# Allegro board 1119394-C028P02-36-DE2-C01_pcb.brd (continued)
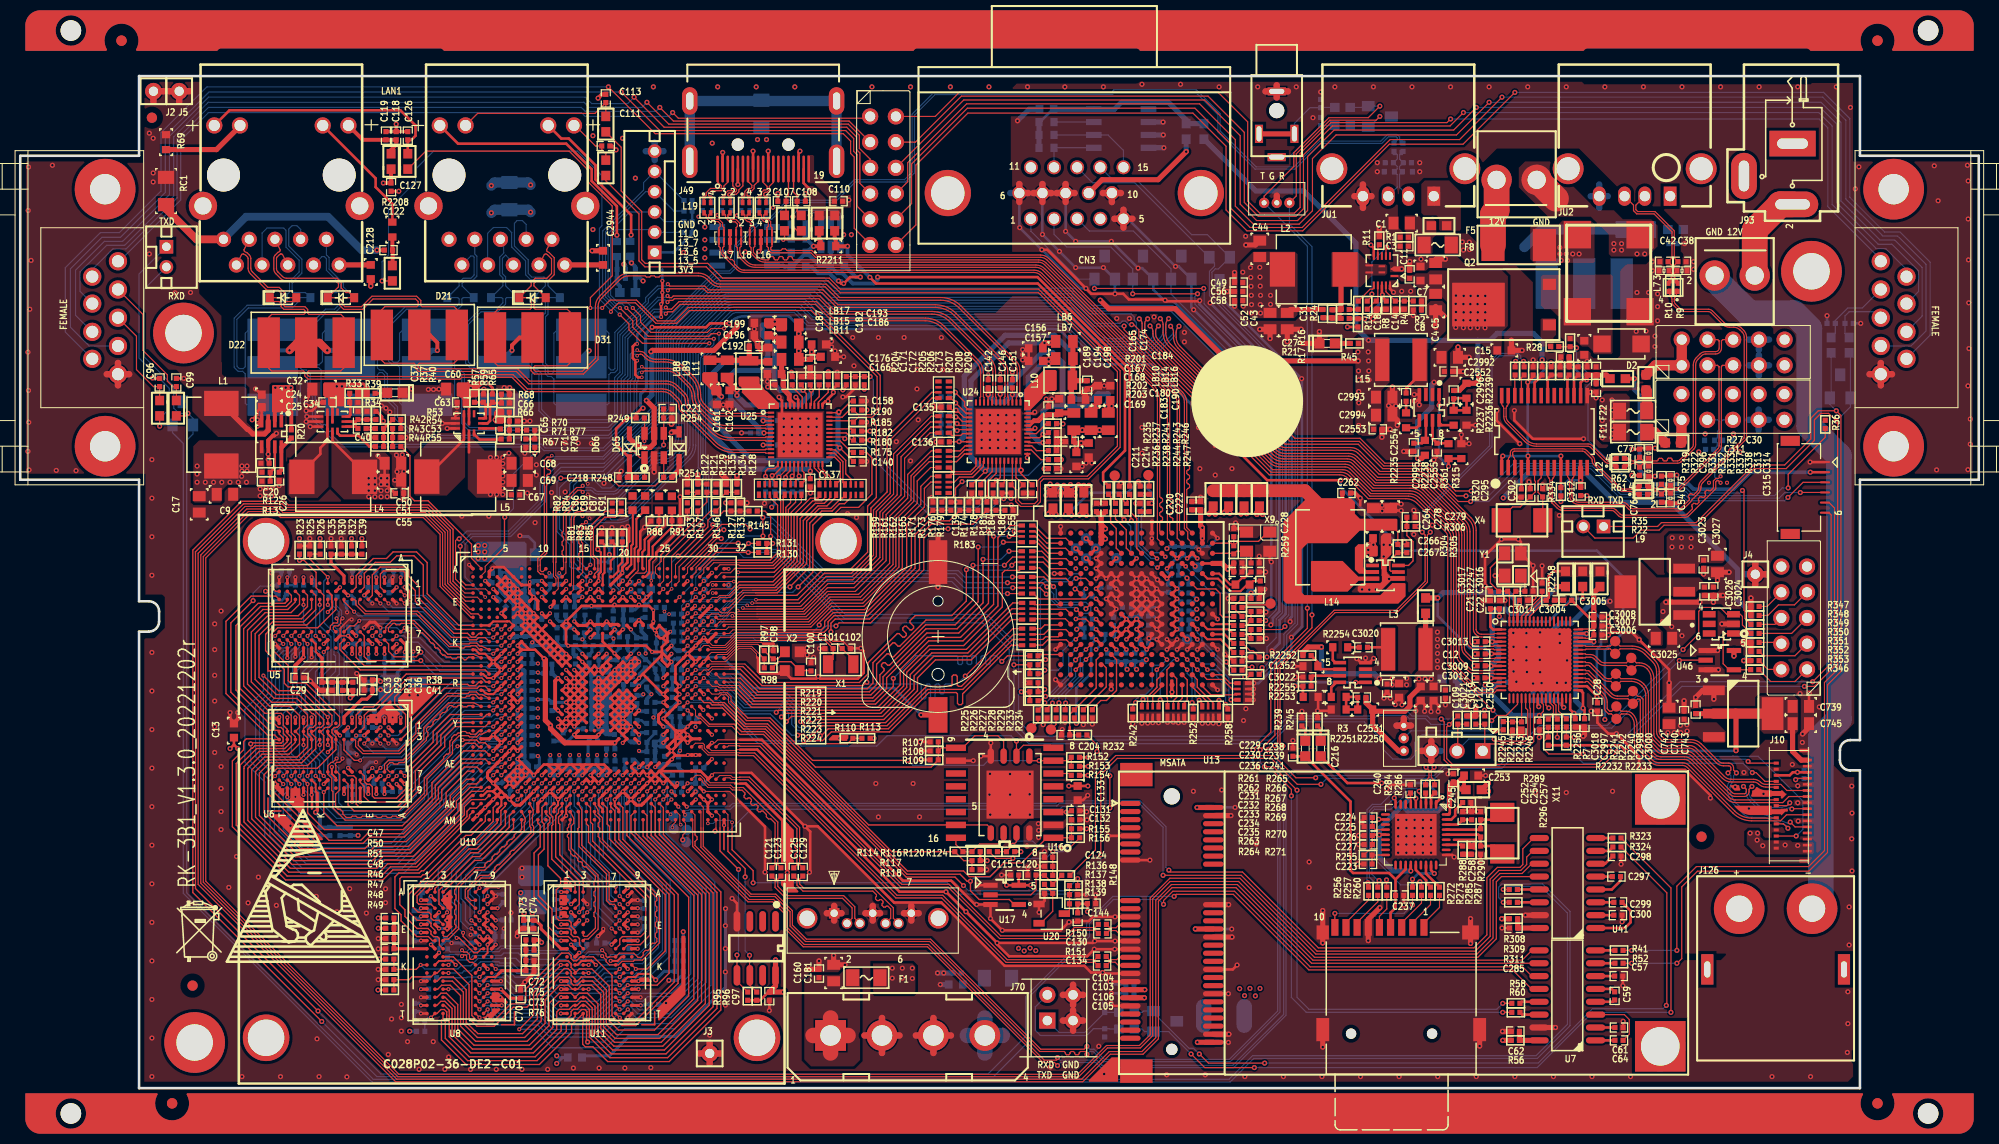
[diagram p0: board, top side]
## Routing (per net, layer and track width the routed paths; a pad name or vN(x,y) marks a point on that pad's centre or on a via; arc(x,y) is an arc through that point) (continued)
VI_D10: length 41.6
  TOP w0.127: v2(77.85,36.22) 78.44,36.22 78.64,36.42 85.29,36.42 88.29,39.42 88.29,40.74 90.22,42.67 93.79,42.67 97.99,46.88 RN78.7 ; U10.P27 v1(65.92,41.32)
  BOTTOM w0.095: 71.04,40.28 70.41,40.92 68.34,40.92 67.74,41.52 67.08,41.52 66.87,41.73 66.32,41.73 65.92,41.33 v1(65.92,41.32)
  BOTTOM w0.114: 71.4,39.93 71.04,40.28
  BOTTOM w0.127: 71.4,39.93 72.21,39.12 75.59,39.12 77.85,36.85 v2(77.85,36.22)
VI_D11: length 40.8
  TOP w0.127: U10.P28 v1(66.72,41.32) ; v2(77.09,36.22) 77.57,35.74 78.71,35.74 79.1,36.12 85.47,36.12 88.62,39.27 88.62,40.54 90.4,42.32 93.93,42.32 97.92,46.3 RN78.8
  BOTTOM w0.095: 71.09,39.8 70.18,40.72 68.26,40.72 67.66,41.32 v1(66.72,41.32)
  BOTTOM w0.114: 71.09,39.8 71.3,39.6
  BOTTOM w0.127: v2(77.09,36.22) 77.09,37.18 75.46,38.81 72.08,38.81 71.3,39.6
VI_D12: length 42.4
  TOP w0.095: U10.P29 67.52,41.33 68,41.33 68.33,41.66 69.59,41.66
  TOP w0.114: RN76.5 98.04,45.41 v2(93.34,40.72)
  TOP w0.127: v2(83.62,40.11) 83.57,40.11 83.24,39.78 73.25,39.78 71.37,41.66 69.59,41.66
  BOTTOM w0.127: v2(83.62,40.11) 83.79,39.93 88.88,39.93 88.99,39.81 88.99,38.57 89.1,38.46 89.33,38.46 89.45,38.57 89.45,39.81 89.56,39.93 89.79,39.93 89.9,39.81 89.9,38.57 90.02,38.46 90.25,38.46 90.36,38.57 90.36,39.81 90.48,39.93 90.7,39.93 90.82,39.81 90.82,39.08 90.93,38.96 91.16,38.96 91.28,39.08 91.28,39.81 91.39,39.93 92.56,39.93 v2(93.34,40.72)
VI_D13: length 41.2
  TOP w0.124: RN76.6 98.1,44.83
  TOP w0.127: v2(78.21,34.8) 79.22,35.81 85.61,35.81 89.5,39.7 91.91,39.7 92.04,39.83 92.04,40.69 92.17,40.82 92.42,40.82 92.55,40.69 92.55,39.83 92.68,39.7 92.96,39.7 98.1,44.83 ; U10.R29 v1(67.52,40.52)
  BOTTOM w0.095: 71.09,38.86 69.63,40.33 67.79,40.33 67.6,40.52 v1(67.52,40.52)
  BOTTOM w0.127: v2(78.21,34.8) 77.67,35.33 76.81,35.33 76.2,35.94 76.2,37.21 75.21,38.2 71.75,38.2 71.09,38.86
VI_D14: length 40.9
  TOP w0.124: RN76.7 98.03,44.34 96.75,43.05
  TOP w0.127: v2(79.02,34.82) 79.12,34.82 79.81,35.51 85.74,35.51 89.63,39.4 93.09,39.4 96.75,43.05 ; U10.R27 v1(65.92,40.52)
  BOTTOM w0.095: 71.09,39.37 69.94,40.52 68.17,40.52 67.8,40.89 66.29,40.89 v1(65.92,40.52)
  BOTTOM w0.114: 71.09,39.37 71.22,39.24
  BOTTOM w0.127: 71.22,39.24 71.96,38.51 75.33,38.51 76.5,37.34 76.5,36.07 76.94,35.64 77.8,35.64 78.16,35.28 78.56,35.28 v2(79.02,34.82)
VI_D15: length 41.3
  TOP w0.127: U10.U28 v1(66.71,38.91) ; RN76.8 97.89,43.76 93.22,39.09 93.21,39.09 93.08,38.96 93.08,38.02 92.95,37.9 92.7,37.9 92.57,38.02 92.57,38.96 92.44,39.09 89.75,39.09 85.87,35.2 80.11,35.2 79.25,34.34 78.03,34.34 77.39,34.98 76.89,34.98 v2(76.78,34.87)
  BOTTOM w0.095: v1(66.71,38.91) 66.71,38.95 67.28,39.52 68.71,39.52 71.09,37.13
  BOTTOM w0.127: v2(76.78,34.87) 76.2,34.87 74.09,36.98 71.25,36.98 71.09,37.13
VOU1120_DATA5/I2S0_WS_RX: length 40.3
  TOP w0.114: RN75.6 v2(97.51,49.94)
  TOP w0.127: U10.E26 v1(65.12,48.52)
  BOTTOM w0.114: v1(65.12,48.52) 66.37,49.77 66.37,50.7 71.45,55.78 74.32,55.78 79.27,50.83 92.43,50.83 93.32,49.94 v2(97.51,49.94)
VOU1120_DATA6/I2S0_BCLK_RX: length 40.1
  TOP w0.095: U10.C26 65.07,50.08 65.07,51.51 66.14,52.58
  TOP w0.114: v2(72.09,55.24) 71.63,55.7 69.27,55.7 66.14,52.58 ; RN75.7 v2(98.03,49.44)
  BOTTOM w0.114: v2(72.09,55.24) 74.22,55.24 79.02,50.44 92.23,50.44 93.23,49.44 v2(98.03,49.44)
VOU1120_DATA8/I2S0_MCLK: length 30.6
  TOP w0.114: R145.2 73.56,57.02 74.12,56.46 v2(74.12,54.53) ; RN75.8 v2(97.51,48.87)
  BOTTOM w0.114: v2(97.51,48.87) 93.2,48.87 92,50.06 78.84,50.06 74.37,54.53 v2(74.12,54.53)
VPVDD_1.8VA: length 8.2
  TOP w0.254: U32.D16 U32.D15
  TOP w0.508: v2(119.84,51.46) 119.46,51.46 v2(119.28,51.28) 118.72,51.85 U32.D16 ; v2(119.84,51.46) 119.84,51.03 C230.1 ; v2(119.84,51.46) 119.84,51.87 C229.1 ; 122.4,57.15 122.15,56.9 v2(122.15,56.69) ; 122.4,57.15 LB25.2 ; 122.4,57.15 122.4,57 v2(122.71,56.69)
  GND02 w0.114: v2(119.84,51.46) 119.46,51.46 v2(119.28,51.28) ; v2(122.71,56.69) v2(122.15,56.69)
  BOTTOM w0.114: v2(119.28,51.28) 119.46,51.46 v2(119.84,51.46) ; v2(122.15,56.69) v2(122.71,56.69)
VSRAM_3.3V: length 7.1
  TOP w0.254: U32.M6 v4(108.26,43.35) ; U32.M8 v4(110.26,43.35) ; U32.M10 v4(111.26,43.35) U32.M9 ; U32.M7 v4(109.26,43.35)
  TOP w0.508: v2(102.31,56.67) 102.01,56.97 102.01,57.2 ; 102.01,57.2 v2(101.52,56.72) ; 102.01,57.2 LB18.2
  BOTTOM w0.254: C341.1 108.26,43.02 v4(108.26,43.35) ; v4(109.26,43.35) 109.26,43.04 C339.1 ; v4(111.26,43.35) 111.26,43.27 C336.1 ; C344.1 107.26,43.13 v4(107.26,43.35) ; v4(110.26,43.35) 110.26,43.15 C337.1
VTVDD_3.3VA: length 12.3
  TOP w0.254: U32.A5 106.76,54.85 v2(107.19,55.27) ; 106.76,53.85 v2(107.19,54.28)
  TOP w0.381: U32.B15 v4(116.76,54.33)
  TOP w0.508: 106.76,55.7 v2(107.19,55.27) ; 106.76,55.7 106.76,56.55 ; 106.76,55.7 U32.A5 106.76,54.48 ; 106.76,54.48 106.98,54.48 v2(107.19,54.28) ; 106.76,54.48 U32.B5 ; v4(116.76,54.33) U32.A15 v2(116.76,55.37) 116.59,55.55 C222.1 C220.1 ; C211.1 106.73,56.55 106.76,56.55 ; 105.05,57.07 105.05,56.87 v2(105.31,56.62) ; 105.05,57.07 v2(104.62,56.64) ; 105.05,57.07 LB20.2 ; 106.76,56.55 C214.1
  PWR03 w0.381: 116.76,54.74 116.76,54.73 v4(116.76,54.33)
WDG_RSTN: length 47.2
  TOP w0.095: 71.09,34.95 70.3,35.75 67.99,35.75 67.19,36.55 66.95,36.55 66.7,36.8 66.7,37.34 66.32,37.72 U10.V28
  TOP w0.114: R150.1 v2(104.44,20.7)
  TOP w0.127: v2(93.17,20.02) 92.33,20.85 87.51,20.85 73.41,34.95 71.09,34.95
  BOTTOM w0.114: v2(104.44,20.7) 103.25,19.51 93.68,19.51 v2(93.17,20.02)
X7842_1_XTI: length 7.2
  TOP w0.114: X9.1 123.4,54.95
  TOP w0.127: R259.1 119.61,53.85 U32.B16 ; R259.1 C228.2 ; R259.1 120.29,54.03 122.3,54.03 123.23,54.95 123.4,54.95
X7842_1_XTO: length 4.8
  TOP w0.114: R259.2 120.13,53.05 X9.3 121.56,52.61 C238.2
  TOP w0.127: R259.2 119.8,52.85 U32.C16
XIN: length 8.3
  TOP w0.095: U10.M31 68.72,42.7 68.87,42.85 69.82,42.85 70.83,43.85 72.86,43.85 73.38,43.33
  TOP w0.127: 73.38,43.33 R97.1 74.3,42.42 C98.2 74.83,42.42 X2.1
XOUT: length 5.8
  TOP w0.095: 73.08,42.82 72.24,43.66 70.91,43.66 69.77,42.52 U10.M32
  TOP w0.127: R98.2 R97.2 73.08,42.82
XRES: length 24.4
  TOP w0.114: R2242.2 v2(151.82,34.67) ; v2(171.08,31.18) 171.46,31.18 172.33,30.31 J10.24
  BOTTOM w0.114: v2(151.82,34.67) 154.38,32.11 170.15,32.11 v2(171.08,31.18)
XTALI: length 8.6
  TOP w0.127: U1.64 147.09,48.92 R2247.1 C3017.1 145.21,49.91 145.21,51.43 Y1.3
XTALO: length 5.7
  TOP w0.127: Y1.1 148.62,50.25 C3016.1 R2247.2 147.49,48.86 U1.63
N72531: length 3
  TOP w0.254: U4.5 33.15,65.86 C37.1 R37.1 R40.2
N72551: length 4.6
  TOP w0.254: U9.5 46.15,65.68 46.41,65.94 46.41,67.54 R65.2 46.71,67.69 C66.1 R68.1
N72571: length 1.8
  TOP w0.254: C65.1 47.36,65.18 U9.4
N72627: length 1.8
  TOP w0.254: R77.2 R78.1 C71.1
N72639: length 0.9
  TOP w0.114: R71.2 R77.1
N72643: length 1.8
  TOP w0.254: R55.1 C53.1 R54.2
N72655: length 0.9
  TOP w0.254: R54.1 R53.2
N72679: length 1.2
  TOP w0.254: C40.1 33.16,65.36 U4.4
N72683: length 2.8
  TOP w0.254: R57.2 R59.1 45.97,67.54 45.97,66.36 45.79,66.18 U9.6
N72695: length 2.6
  TOP w0.254: R33.2 R34.1 32.61,67.7 32.61,66.54 32.43,66.36 U4.6
N72707: length 7.7
  TOP w0.254: L5.1 43.82,64.09 U9.1 U9.9
N72727: length 7.5
  TOP w0.254: L4.1 27.82,60.84 29.64,62.66 29.64,63.27 30.34,63.97 U4.1 U4.9
N72799: length 3
  TOP w0.254: U9.3 44.82,64.63 45.36,64.08 47.45,64.08 R67.1
N72803: length 4.5
  TOP w0.254: R44.1 34.49,63.4 33.43,64.47 31.59,64.47 31.34,64.72 U4.3
N78504: length 3.7
  TOP w0.114: U2.13 134.89,78.7 C14.1 R4.1 R2.2
N78524: length 6.3
  TOP w0.254: U2.12 134.49,78.44 v2(134.54,78.38) 134.54,78.16 R8.1 ; v2(132.79,76.02) R17.2 131.29,76.02 R21.2
  BOTTOM w0.254: v2(132.79,76.02) 134.54,77.77 v2(134.54,78.38)
N78664: length 1.8
  TOP w0.508: C31.1 129.54,76.12 R24.2 130.4,76.1 R21.1
N78676: length 7.1
  TOP w0.114: v2(134.98,83.11) 134.89,83.03 U2.4 ; R14.1 133.5,78.23 v2(133.5,78.46)
  BOTTOM w0.114: v2(134.98,83.11) 133.5,81.64 v2(133.5,78.46)
N78684: length 2.8
  TOP w0.114: R14.2 133.86,77.77 C18.1 134.09,77.93 U2.11
N78696: length 0.9
  TOP w0.254: C27.1 132.13,76.94 R16.2
N78700: length 2.3
  TOP w0.114: U2.10 133.69,79.06 133.58,78.94 133.32,78.94 R16.1
N78704: length 5
  TOP w0.508: L2.1 130.45,80.5 C27.2 130.43,76.91 R24.1
N78756: length 1.2
  TOP w0.114: U2.6 134.09,83.19 R11.1
N108668: length 4.8
  TOP w0.127: v1(29.18,44.69) U5.L8
  BOTTOM w0.127: v1(29.18,44.69) 29.18,48.86 R412.2
N108954: length 4.9
  TOP w0.127: v1(29.18,30.85) U6.L8
  BOTTOM w0.127: R413.2 28.41,34.73 28.41,32.96 29.18,32.2 v1(29.18,30.85)
N117091: length 5.1
  TOP w0.127: U11.L8 59.61,11.38 v1(59.21,10.98)
  BOTTOM w0.127: R400.2 55.26,10.21 57.09,10.21 57.86,10.98 v1(59.21,10.98)
N117481: length 4.8
  TOP w0.127: v1(45.36,10.98) 45.76,11.38 U8.L8
  BOTTOM w0.127: R406.2 44.06,10.91 44.13,10.98 v1(45.36,10.98)
N120940: length 4.6
  TOP w0.127: C100.2 78.07,41.26 X2.3 76.93,41.21 76.93,41.34 76.12,42.14 74.88,42.14 74.3,41.55 R98.1
N121250: length 9.5
  TOP w0.114: U17.2 99.82,19.1 100.33,19.61 C120.1 101.14,21.06 R137.1 101.98,20.22 R138.2 R148.2
N121664: length 4.8
  TOP w0.114: U20.2 100.8,16.3 101.98,17.48 R139.1 101.17,20.07 R138.1
N121704: length 3.1
  TOP w0.114: U20.3 103.3,17.25 103.63,17.58 R151.2 C130.1 R150.2
N369871: length 10.5
  TOP w0.114: R156.1 103.78,23.88 v2(102.77,23.88) ; U18.7 98.4,24.36 v2(98.04,24) R124.2 R120.1
  BOTTOM w0.114: v2(102.77,23.88) 100.53,23.88 100,24.41 98.45,24.41 v2(98.04,24)
N370229: length 1.8
  TOP w0.114: U16.6 103.63,31.09 R154.2
N791895: length 7.1
  TOP w0.127: R82.2 57.79,57 56.35,55.56 56.35,52.59 56.72,52.22 U10.A16
N791899: length 8.6
  TOP w0.127: U10.B16 56.72,50.8 57.06,51.14 57.06,52.25 56.6,52.7 56.6,55.28 57.73,56.41 58.78,56.41 R84.2
N1265409: length 7.9
  TOP w0.203: U10.B22 61.75,50.52 62.13,50.9 62.13,52.12 62.46,52.45 62.46,53.52 64.36,55.42 R91.1
  TOP w0.254: C91.1 R91.1
N1265415: length 6.5
  TOP w0.203: U10.A22 61.44,51.4 61.44,52.96 61.67,53.19 61.67,54.2 63.09,55.63 R88.1
  TOP w0.254: C87.1 R88.1
N1265629: length 6
  TOP w0.203: U10.A20 60.35,51.75 60.35,53.59 60.5,53.75 60.5,57.09 C86.1
N1265735: length 0.6
  TOP w0.203: U10.D20 v1(60.32,49.32)
N1265739: length 0.6
  TOP w0.203: U10.C21 v1(61.12,50.12)
N1265743: length 7.3
  TOP w0.203: U10.B20 60.68,51.28 60.68,53.31 60.86,53.49 60.86,56.25 C89.1
N1293779: length 2.8
  TOP w0.127: U24.29 96,60.92 94.87,59.79 R174.1
N1294077: length 2.3
  TOP w0.127: U24.39 99.9,63.47 100.38,62.99 R202.1
N1294187: length 2.2
  TOP w0.127: RN22.5 91.99,64.49 92.89,64.49 93.07,64.67 U24.19
N1294199: length 2.5
  TOP w0.127: R201.2 101.35,65.66 100.36,64.67 U24.42
N1300229: length 2.5
  TOP w0.127: U25.42 77.24,68.3 76.25,69.29 R204.2
N1300451: length 2.3
  TOP w0.127: R205.1 78.92,68.33 78.44,67.85 U25.39
N1300455: length 2.8
  TOP w0.127: R175.1 82.12,62.81 80.99,63.94 U25.29
N9652119: length 1.2
  TOP w0.254: R39.2 36.2,68.66 D71.A
N16774177: length 13.8
  TOP w0.114: C125.1 76.71,20.64 76.71,20.06 77.31,19.47 84.21,19.47 84.57,19.11 84.57,18.95 84.48,18.86 84.48,18.7 84.64,18.54 84.8,18.54 84.89,18.63 85.05,18.63 85.22,18.47 85.22,18.31 85.12,18.21 85.12,18.05 85.29,17.89 85.45,17.89 85.54,17.98 85.7,17.98 85.97,17.71 85.97,16.79 CON1.5
N16774181: length 12.9
  TOP w0.114: CON1.6 86.24,16.79 86.24,17.82 84.32,19.74 77.42,19.74 76.98,20.17 76.98,20.64 C129.1
N16774185: length 11.4
  TOP w0.114: C123.1 74.82,20.64 74.82,19.94 75.74,19.02 81.33,19.02 82.43,17.92 82.43,16.79 CON1.3
N16774189: length 11.4
  TOP w0.114: CON1.2 82.16,16.79 82.16,17.81 81.22,18.76 75.63,18.76 74.56,19.83 74.56,20.64 C121.1
N17888369: length 1.9
  TOP w0.254: U7.7 R52.1
N17888371: length 1.9
  TOP w0.254: U7.8 R41.1
N17888401: length 2
  TOP w0.254: U7.5 157.2,9.8 C59.1
N17888407: length 5.8
  TOP w0.114: U7.3 158.45,7.26 158.93,6.78 158.93,5.33 C64.1
N17888413: length 1.9
  TOP w0.254: U7.1 C64.2
N17888415: length 2
  TOP w0.254: C59.2 157.3,8.53 U7.4
N17888417: length 2.8
  TOP w0.508: C62.1 R56.2 U7.16
N17888423: length 1.9
  TOP w0.254: U7.2 C61.1
N17888425: length 1.9
  TOP w0.254: U7.6 C57.1
N17888427: length 1.9
  TOP w0.254: U7.13 148.29,8.53 R58.1
N17888429: length 2
  TOP w0.254: R60.1 148.36,7.26 U7.14
N17942185: length 6.9
  TOP w0.508: U3.3 24.49,65 24.13,64.64 22.96,64.64 22.5,65.1 22.42,65.1 L1.1
N17942187: length 3.6
  TOP w0.254: R13.1 R12.1 25.14,61.31 U3.7
N17942295: length 3.9
  TOP w0.381: R20.2 25.9,63.37 U3.8 25.79,61.07 C26.1
N17948494: length 1.5
  TOP w0.508: D87.A R45.2
N17955762: length 81.9
  TOP w2.54: J93.2 173.86,87.33 171.32,84.79 J94.1
  PWR03 w2.54: J94.1 171.32,79.53 174.44,76.4 174.95,76.4 177.5,73.86 177.5,63.98 179.6,61.87 179.6,36.3 177.85,34.54 177.85,23.7 176.25,22.1 172.32,22.1 169.78,19.56 J126.1
N17955786:
  vias: v2(152.07,83.06) v2(152.07,82.42) v2(152.2,81.79) v2(152.7,82.42) v2(152.83,81.79) v2(153.34,82.42) v2(153.97,82.42)
N17994299: length 2.3
  TOP w0.127: U24.23 93.29,63.07 92.62,62.4 RN13.7
N17994300: length 2.3
  TOP w0.127: U24.24 93.25,62.67 92.48,61.9 RN13.6
N17994301: length 3.6
  TOP w0.127: U24.25 94.4,61.46 93.85,60.91 92.15,60.91 RN13.5
N17994302: length 4
  TOP w0.127: U24.26 94.8,61.5 93.95,60.66 91.91,60.66 RN14.8
N17994437: length 2.2
  TOP w0.127: U24.22 93.33,63.47 92.83,62.97 RN13.8
N17994468: length 4.7
  TOP w0.127: U24.27 95.12,61.92 95.12,61.42 94.08,60.38 92.76,60.38 92.27,59.88 RN14.7
N17995041: length 2.3
  TOP w0.127: U25.23 78.84,61.24 79.51,60.56 RN17.7
N17995044: length 2.3
  TOP w0.127: RN17.6 80.01,60.42 79.24,61.2 U25.24
N17995047: length 3.6
  TOP w0.127: RN17.5 81,60.09 81,61.79 80.45,62.34 U25.25
N17995050: length 4
  TOP w0.127: RN18.8 81.25,59.85 81.25,61.9 80.41,62.74 U25.26
N17995116: length 4.7
  TOP w0.127: U25.27 79.99,63.07 80.49,63.07 81.53,62.03 81.53,60.71 82.03,60.21 RN18.7
N17995130: length 2.2
  TOP w0.127: RN17.8 78.94,60.78 78.44,61.28 U25.22
N17995805: length 2.2
  TOP w0.127: U25.19 77.24,61.01 77.42,60.83 77.42,59.94 RN20.5
N18010653: length 3
  TOP w0.508: R311.2 C285.1 U41.16
N18010677: length 1.8
  TOP w0.254: U41.7 156.92,23.44 R324.1
N18010679: length 1.7
  TOP w0.254: U41.8 R323.1
N18010709: length 1.6
  TOP w0.254: U41.5 C297.1
N18010715: length 1.8
  TOP w0.254: U41.3 C299.1
N18010721: length 6
  TOP w0.254: U41.1 158.5,15.82 159.05,16.38 159.05,17.53 C299.2
N18010723: length 3.2
  TOP w0.254: U41.4 157.2,19.63 158.06,20.5 C297.2
N18010727: length 1.8
  TOP w0.254: U41.2 C300.1
N18010729: length 2
  TOP w0.254: U41.6 156.54,22.17 C298.1
N18010731: length 2.2
  TOP w0.254: U41.13 R308.1
N18010733: length 2.2
  TOP w0.254: U41.14 R309.1
N18040890: length 9.3
  TOP w0.127: 110.62,58.67 v2(111.05,58.67) 111.51,58.67 ; U32.C10 v4(112.28,52.33)
  BOTTOM w0.127: v2(111.05,58.67) 110.92,58.55 110.92,57.45 110.46,57 110.46,53.57 111.7,52.33 v4(112.28,52.33)
N18040896: length 1.1
  TOP w0.127: R246.1 111.51,60.5 TP46.1
N18040898: length 1.4
  TOP w0.114: TP47.1 102.31,35.94 R227.1
N18040900: length 1.3
  TOP w0.114: 100.38,36.07 100.53,36.22
  TOP w0.127: R225.1 100.53,36.22 ; TP48.1 100.38,36.07
N18040904: length 19.5
  TOP w0.127: v2(101.19,39.4) 101.19,39.34 101.02,39.17 R223.2 R222.2 ; v2(104.19,49.33) 104.28,49.33 U32.G3
  BOTTOM w0.127: v2(104.19,49.33) 104.75,49.89 104.75,50.65 104.57,50.83 104.04,50.83 103.5,50.29 101.04,50.29 100.51,49.76 100.51,39.93 101.04,39.4 v2(101.19,39.4)
N18040906: length 13.9
  TOP w0.127: U32.F4 105.24,50.37 v2(104.29,50.37) ; v2(101.27,42.34) 101.04,42.34 R220.2
  BOTTOM w0.127: v2(104.29,50.37) 104.19,50.37 103.86,50.04 101.22,50.04 100.76,49.58 100.76,42.85 v2(101.27,42.34)
N18040962: length 7.6
  TOP w0.127: R247.2 111.1,56.97 v2(111.07,56.95) 111.05,56.97 R244.2 ; U32.C11 v4(113.11,52.5)
  BOTTOM w0.127: v4(113.11,52.5) 112.7,52.91 111.53,52.91 110.74,53.7 110.74,56.62 v2(111.07,56.95)
N18041076: length 7.4
  TOP w0.127: v2(105.26,47.37) 105.73,47.85 U32.H4 ; v2(101.4,49.53) 100.99,49.94 RN75.3
  BOTTOM w0.127: v2(101.4,49.53) 101.4,49.5 102.08,48.82 102.08,48.33 102.66,47.75 104.93,47.75 105.26,47.42 v2(105.26,47.37)
N18041088: length 11.4
  TOP w0.114: RN75.4 101.1,50.51
  TOP w0.127: v4(104.27,46.35) 105.25,46.35 U32.K4 ; v2(102.06,49.56) 101.1,50.51
  BOTTOM w0.127: v2(102.06,49.56) 102.34,49.28 102.34,48.44 102.77,48.01 105.26,48.01 105.74,47.52 105.74,47.19 105.46,46.91 104.83,46.91 v4(104.27,46.35)
N18041450: length 4.8
  TOP w0.114: U32.P13 v4(115.26,41.35)
  TOP w0.127: v2(115.75,38.1) 115.85,38 R252.1
  BOTTOM w0.127: v2(115.75,38.1) 115.75,40.49 115.26,40.97 v4(115.26,41.35)
N18041699: length 7.7
  TOP w0.114: U32.N11 v4(113.26,42.35)
  TOP w0.127: R242.1 109.88,37.82 v2(110.16,38.1)
  BOTTOM w0.127: v2(110.16,38.1) 110.16,38.38 110.64,38.86 111.12,38.86 111.81,39.55 111.81,41.55 112.04,41.78 112.7,41.78 v4(113.26,42.35)
N18041701: length 5.9
  TOP w0.114: U32.P15 v4(117.26,41.35)
  TOP w0.127: v2(119.05,37.92) 119.28,37.69 R258.1
  BOTTOM w0.127: v4(117.26,41.35) 117.27,41.35 118.06,41.35 119.05,40.36 v2(119.05,37.92)
N18041729: length 2.3
  TOP w0.127: U32.N1 100.66,42.85 R219.1
N18041731: length 0.7
  TOP w0.254: v2(105.28,54.31) 105.74,53.85 U32.B4
N18041733: length 0.7
  TOP w0.254: U32.D6 v4(108.26,52.35)
N18041735: length 7.7
  TOP w0.127: R271.1 121.31,40.64 v2(120.95,40.64)
  TOP w0.254: U32.L14 v4(116.26,44.35)
  BOTTOM w0.127: v2(120.95,40.64) 120.83,40.77 119.79,40.77 116.26,44.29 v4(116.26,44.35)
N18041737: length 6.5
  TOP w0.127: v2(119.13,42.11) 119.13,42.04 R264.1
  TOP w0.254: U32.K14 v4(116.26,45.35)
  BOTTOM w0.127: v4(116.26,45.35) 116.26,45 116.71,44.55 116.71,44.2 118.87,42.04 119.05,42.04 v2(119.13,42.11)
N18041783: length 7.8
  TOP w0.127: 108.53,58.67 108.71,58.5 108.71,56.49 v2(109.03,56.17)
  TOP w0.254: U32.D8 v4(110.26,52.35)
  BOTTOM w0.127: v2(109.03,56.17) 109.68,55.52 109.68,52.93 v4(110.26,52.35)
N18041805: length 2.5
  TOP w0.114: 119.86,47.57 R261.1
  TOP w0.127: R262.2 119.86,47.42 C231.1
  TOP w0.254: 119.86,47.57 R262.2
N18041807: length 6.7
  TOP w0.127: C231.2 119.81,46.56 118.77,46.56 118.52,46.81 118.52,48.89 118.08,49.33 116.23,49.33 115.76,49.8 U32.F14
N18041868: length 8.6
  TOP w0.127: U32.D13 115.05,51.56 v4(115.11,51.56)
  TOP w0.254: R265.2 v2(121.56,48.92)
  BOTTOM w0.127: v4(115.11,51.56) 115.11,51.49 117.69,48.92 v2(121.56,48.92)
N18042583: length 0.7
  TOP w0.254: U32.C3 104.74,52.85 v2(104.27,53.31)
N18042585: length 0.7
  TOP w0.254: v2(106.25,53.31) 105.78,52.85 U32.C4
N18042593: length 0.7
  TOP w0.254: U32.D4 105.76,51.87 v2(105.28,52.35)
N18042595: length 0.7
  TOP w0.254: U32.L13 114.77,44.85 v2(115.27,44.35)
N18042600: length 6.3
  TOP w0.127: U32.C9 110.76,52.85 110.29,53.31 110.29,56.29 109.73,56.85 109.73,58.52 109.58,58.67
N18042602: length 6.4
  TOP w0.127: 107.49,58.67 107.7,58.47 107.7,55.85 108.25,55.3 108.25,53.35 U32.C7
N18042624: length 4.8
  TOP w0.124: R236.2 108.18,56.24 109.25,55.17
  TOP w0.127: 109.25,55.17 109.25,53.36 U32.C8
N18042626: length 2.8
  TOP w0.127: R236.1 108.03,57.94 108.03,60.43
  TOP w0.254: 108.03,60.43 108.03,60.45 TP49.1
N18042630: length 0.4
  TOP w0.254: U32.D14 115.76,51.83 116.03,51.56 v2(116.05,51.56)
N18042636: length 5.9
  TOP w0.127: RN75.2 100.72,49.44 v2(101.35,48.82) ; v2(104.32,47.29) U32.J3
  BOTTOM w0.127: v2(104.32,47.29) 104.11,47.5 102.56,47.5 101.35,48.71 v2(101.35,48.82)
N18042638: length 4.3
  TOP w0.114: RN77.4 100.9,53.05 100.9,53.05
  TOP w0.127: 100.9,53.05 101.63,52.32 103.28,52.32 U32.D2
N18042640: length 3.1
  TOP w0.127: RN77.3 99.97,52.47 101.02,52.47 101.65,51.85 U32.D1
N18042642: length 4.3
  TOP w0.127: RN77.2 99.97,51.97 101.04,51.97 101.68,51.33 103.28,51.33 103.76,50.85 U32.E2
N18042644: length 4.5
  TOP w0.114: 100.7,51.4 100.69,51.41 RN77.1
  TOP w0.127: U32.F2 103.76,49.88 103.28,50.37 101.73,50.37 100.7,51.4
N18042646: length 4.5
  TOP w0.127: U32.B2 103.28,54.33 101.42,54.33 100.16,55.59 RN19.4
N18042648: length 3.3
  TOP w0.114: RN19.3 100.23,55.02 101.4,53.85
  TOP w0.127: 101.4,53.85 U32.B1
N18042650: length 4.5
  TOP w0.114: 100.33,54.46 100.27,54.52 RN19.2
  TOP w0.127: U32.C2 103.75,52.85 103.25,53.34 101.45,53.34 100.33,54.46
N18042652: length 3.3
  TOP w0.114: RN19.1 100.43,53.95 100.61,53.77
  TOP w0.127: 100.61,53.77 101.54,52.85 U32.C1
N18042654: length 3
  TOP w0.114: RN76.4 100.83,45.41 100.85,45.43
  TOP w0.127: 100.85,45.43 101.19,45.77 102.69,45.77 U32.K1
N18042656: length 4.2
  TOP w0.114: 101.09,44.83 RN76.3
  TOP w0.127: U32.L2 103.74,44.85 103.28,45.31 101.57,45.31 101.09,44.83
N18042658: length 3
  TOP w0.114: 101.12,44.45 101,44.34 RN76.2
  TOP w0.127: 101.12,44.45 101.27,44.6 102.52,44.6 U32.L1
N18042662: length 4.2
  TOP w0.127: U32.M2 103.76,43.86 103.33,44.3 101.5,44.3 100.98,43.78 100,43.78 RN76.1
N18042664: length 2.9
  TOP w0.127: RN78.4 100.16,47.78 102.69,47.78 U32.H1
N18042666: length 4
  TOP w0.127: U32.J2 103.29,47.32 100.04,47.32 RN78.3
N18042668: length 2.8
  TOP w0.127: RN78.2 100.02,46.85 U32.J1
N18042670: length 4
  TOP w0.127: RN78.1 100.07,46.38 103.23,46.38 103.76,45.85 U32.K2
N18042674: length 1.9
  TOP w0.127: R270.2 121.08,42.6 R263.1 C235.1
N18042676: length 1.9
  TOP w0.127: C233.1 121.16,44.83 R269.1 R268.2
N18042678: length 2
  TOP w0.127: C232.1 121.08,45.72 R267.2 R266.1
N18042680: length 2.2
  TOP w0.203: C232.2 119.74,45.85 U32.K16
N18042682: length 3.5
  TOP w0.203: C233.2 119.35,45.34 117.27,45.34 116.77,45.85 U32.K15
N18042684: length 3.9
  TOP w0.203: U32.L15 116.76,44.83 117.25,44.35 118.57,44.35 C235.2
N18043041: length 7.3
  TOP w0.127: v2(104.24,42.32) 104.76,42.84 U32.N3 ; R225.2 101.19,38.02 v2(101.19,38.07)
  BOTTOM w0.127: v2(101.19,38.07) 101.24,38.13 101.35,38.13 101.73,38.5 101.73,38.63 103.81,40.71 103.81,41.81 104.24,42.24 v2(104.24,42.32)
N18043043: length 7.9
  TOP w0.127: R227.2 102.31,37.62 102.59,37.9 v2(102.59,38.07) ; v4(105.26,43.35) U32.M4
  BOTTOM w0.127: v4(105.26,43.35) 104.7,42.78 104.7,40.74 102.59,38.63 v2(102.59,38.07)
N18043282: length 5.7
  TOP w0.127: U32.P5 106.95,41.85 107.26,41.53 107.26,39.65 R233.2
N18043284: length 7
  TOP w0.127: U32.N6 107.78,42.85 108.28,42.34 108.28,39.29 107.29,38.3 106.73,38.3 105.89,37.46 R234.2
N18043286: length 6.5
  TOP w0.127: v2(103.25,38.05) 103.25,37.62 103.2,37.57 R228.2 ; v4(105.26,42.35) U32.N4
  BOTTOM w0.127: v4(105.26,42.35) 104.95,42.04 104.95,40.61 103.25,38.91 v2(103.25,38.05)
N18043288: length 5.8
  TOP w0.127: R226.2 101.42,37.52 v2(101.96,38.05) ; U32.P3 v4(104.26,41.35)
  BOTTOM w0.127: v2(101.96,38.05) 101.96,38.38 104.24,40.67 104.24,41.33 v4(104.26,41.35)
N18043541: length 7.6
  TOP w0.127: v4(104.26,43.35) U32.M3 ; v2(101.27,38.71) 101.17,38.71 100.74,38.28 R224.2
  BOTTOM w0.127: v2(101.27,38.71) 101.45,38.71 103.56,40.82 103.56,42.64 v4(104.26,43.35)
N18043543: length 6.7
  TOP w0.114: U32.L3 v4(104.26,44.35)
  TOP w0.127: v2(101.19,41.3) 100.84,40.94 R221.2
  BOTTOM w0.127: v4(104.26,44.35) 104.11,44.35 103,43.23 103,41.78 102.51,41.3 v2(101.19,41.3)
N18043587: length 5.9
  TOP w0.114: U32.N13 v4(115.26,42.35)
  TOP w0.127: RN12.4 116.75,38.01 v2(116.43,38.33)
  BOTTOM w0.127: v4(115.26,42.35) 115.77,41.83 115.77,40.92 116.03,40.67 116.03,38.73 v2(116.43,38.33)
N18043589: length 2.8
  TOP w0.127: U32.T14 115.76,39.66 117.33,38.09 RN12.3
N18043591: length 4
  TOP w0.127: U32.R14 115.77,40.85 116.26,40.36 116.26,39.62 117.83,38.05 RN12.2
N18043593: length 6.2
  TOP w0.114: U32.P14 v4(116.26,41.35)
  TOP w0.127: RN12.1 v2(118.4,38.31)
  BOTTOM w0.127: v4(116.26,41.35) 116.74,40.87 117.98,40.87 118.72,40.13 118.72,38.99 118.4,38.67 v2(118.4,38.31)
N18043595: length 7.5
  TOP w0.127: U32.D11 112.35,51.44 v4(112.32,51.44) ; v2(109.75,56.08) 109.75,56.31 109.25,56.82 R238.2
  BOTTOM w0.127: v2(109.75,56.08) 109.8,56.08 110.13,55.75 110.13,53.52 112.22,51.44 v4(112.32,51.44)
N18043599: length 5
  TOP w0.114: U32.P11 v4(112.26,41.35)
  TOP w0.127: v2(110.9,38.4) 110.9,38.3 110.78,38.19 RN10.4
  BOTTOM w0.127: v4(112.26,41.35) 112.26,39.59 111.07,38.4 v2(110.9,38.4)
N18043601: length 3.7
  TOP w0.127: U32.R11 112.75,40.85 112.27,40.36 112.27,39.6 111.36,38.69 RN10.3
N18043603: length 2.5
  TOP w0.127: RN10.2 111.86,38.81 112.76,39.71 U32.T11
N18043605: length 6.3
  TOP w0.114: U32.N12 v4(114.26,42.35)
  TOP w0.127: RN10.1 112.43,38.21 v2(112.6,38.38)
  BOTTOM w0.127: v4(114.26,42.35) 113.92,42.35 112.6,41.02 v2(112.6,38.38)
N18043607: length 4.3
  TOP w0.114: 113.31,38.53 113.32,38.52 RN9.4
  TOP w0.127: U32.P12 113.26,41.34 113.26,38.58 113.31,38.53
N18043609: length 3.5
  TOP w0.114: RN9.3 113.89,38.28
  TOP w0.127: 113.89,38.28 114.22,38.61 114.22,40.46 113.84,40.85 U32.R12
N18043611: length 2.3
  TOP w0.114: RN9.2 114.39,38.14
  TOP w0.127: U32.T13 114.76,38.51 114.39,38.14
N18043613: length 3.4
  TOP w0.127: U32.R13 115.27,40.34 115.27,38.35 114.96,38.05 RN9.1
N18043626: length 7.5
  TOP w0.114: U32.N14 v4(116.26,42.35)
  TOP w0.127: RN11.4 v2(119.59,38.37)
  BOTTOM w0.127: v4(116.26,42.35) 116.7,41.91 117.98,41.91 119.38,40.51 119.38,38.58 v2(119.59,38.37)